# Altium PCB MB1166.PcbDoc (part 12 of 39)
Units mil, origin at the board's own origin, x right, y up, seen from the top; angles counter-clockwise.
Board outline 5000.99 x 2352.96 mil, 4 copper layers (TOP, L2_GND, L3_VCC, BOTTOM), stack 25.9 mil thick; 35 components, 24 nets, 166 pads, 143 vias.
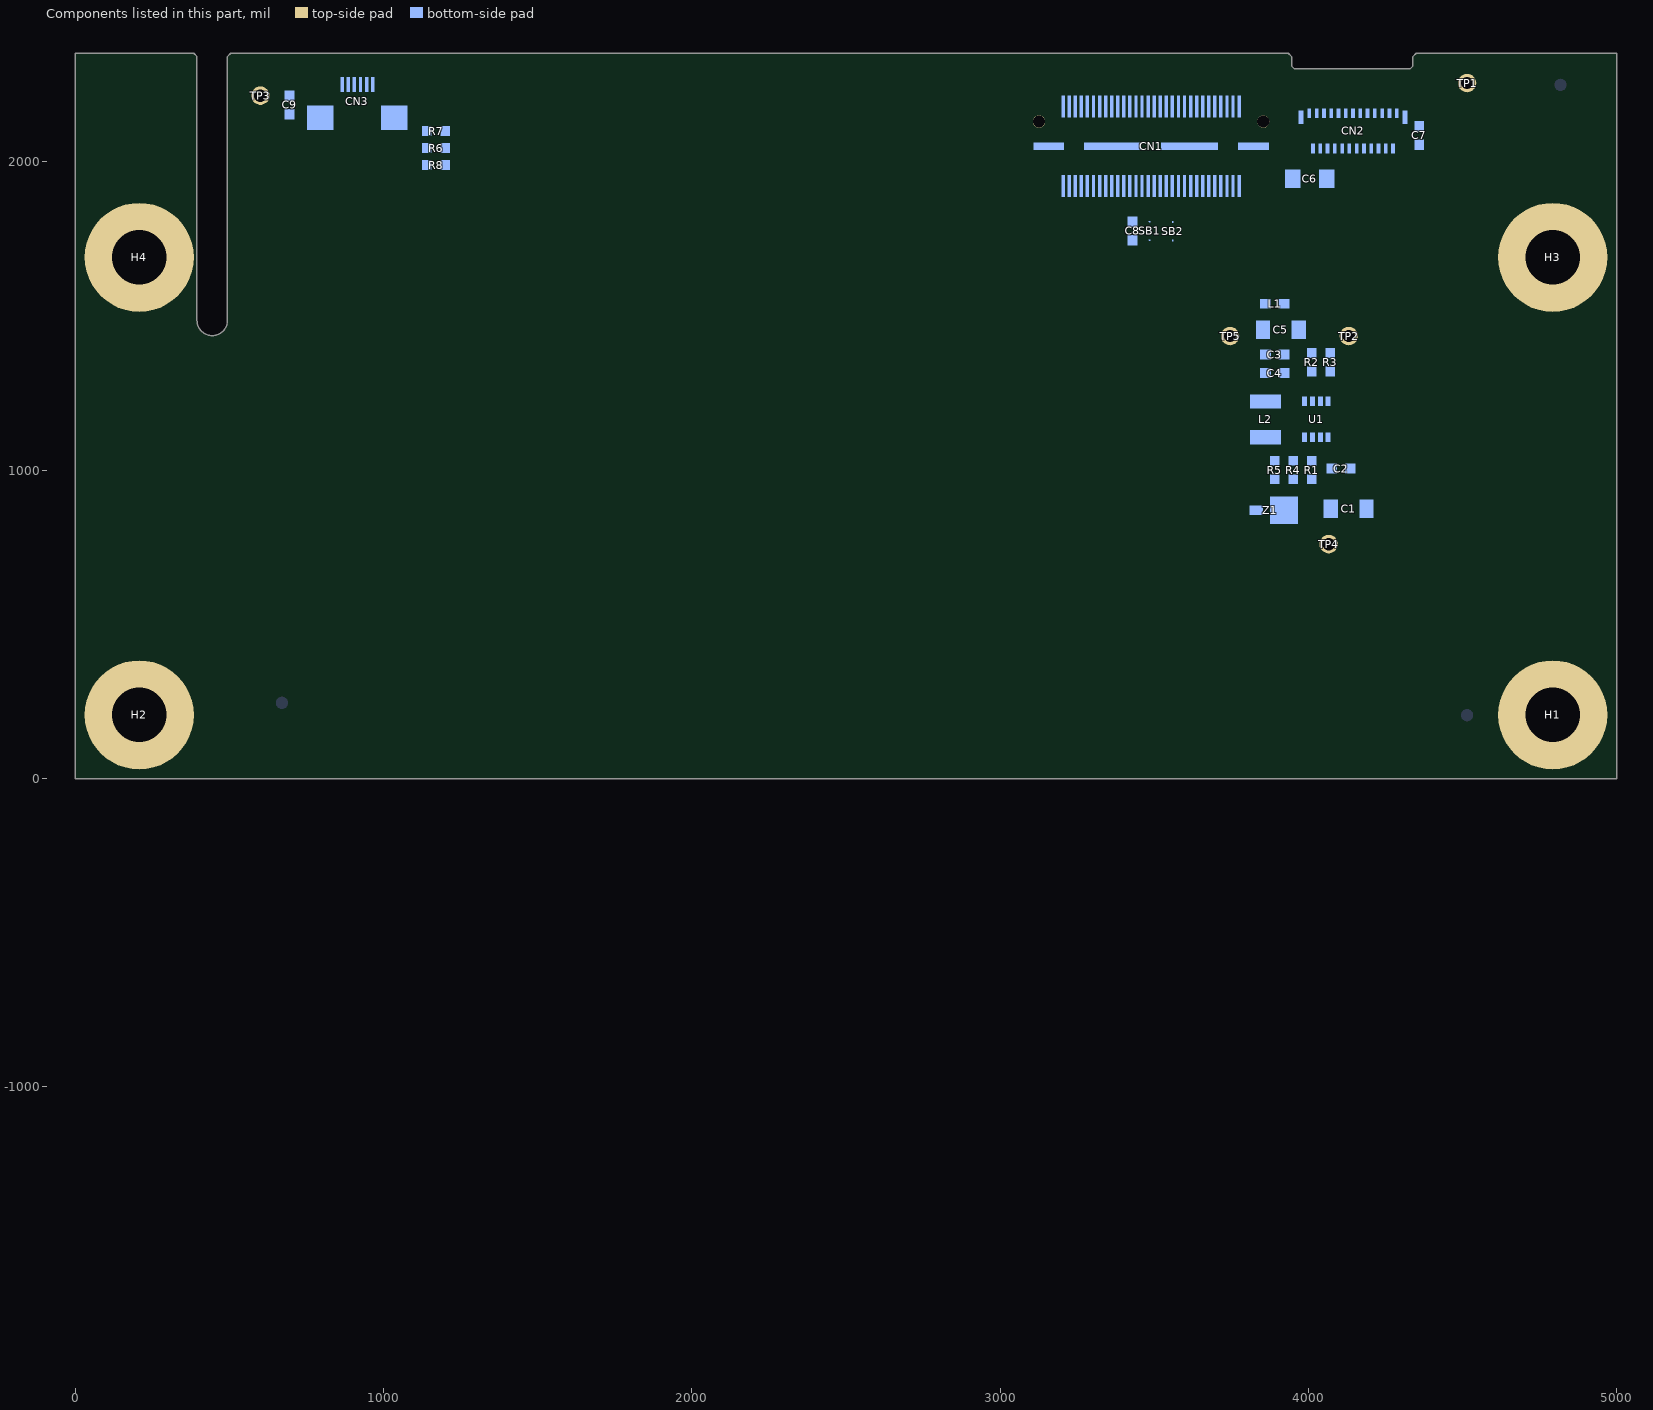
[diagram p14: the components of this part, seen from the top]

## Via types
v1: diameter 24, hole 12, TOP to BOTTOM, 143 vias

## Nets (pads, with @x,y where several pads share a name; then routed paths per layer and width w, separated by ;. In a path a pad name is that pad's centre, name@x,y a point inside that pad or via, vN(x,y) a via of type N, cw(c..) or ccw(c..) an arc to the next point about the centre after c; other vN are vias at no path point) (continued)
copper on no net: (continued)
  TOP w2: 1136.11,-1195.7 1136.21,-1195.73 1136.11,-1195.7 ; 1136.12,-1133.79 1136.2,-1133.73 ; 1136.12,-1133.79 1136.2,-1133.73 ; 1136.2,-1133.73 1136.27,-1133.66 ; 1136.2,-1133.73 1136.27,-1133.66 ; 1136.27,-1133.66 1136.35,-1133.6 ; 1136.27,-1133.66 1136.35,-1133.6 ; 1136.35,-1133.6 1136.42,-1133.53 ; 1136.35,-1133.6 1136.42,-1133.53 ; 1136.42,-1133.53 1136.5,-1133.47 ; 1136.42,-1133.53 1136.5,-1133.47 ; 1136.5,-1133.47 1136.58,-1133.4 ; 1136.5,-1133.47 1136.58,-1133.4 ; 1136.58,-1133.4 1136.65,-1133.34 ; 1136.58,-1133.4 1136.65,-1133.34 ; 1136.65,-1133.34 1136.73,-1133.27 ; 1136.65,-1133.34 1136.73,-1133.27 ; 1136.73,-1133.27 1136.8,-1133.21 ; 1136.73,-1133.27 1136.8,-1133.21 ; 1136.8,-1133.21 1136.88,-1133.14 ; 1136.8,-1133.21 1136.88,-1133.14 ; 1136.88,-1133.14 1137.12,-1132.96 ; 1136.88,-1133.14 1137.12,-1132.96 ; 1137.12,-1132.96 1137.19,-1132.89 ; 1137.12,-1132.96 1137.19,-1132.89 ; 1137.19,-1132.89 1138.23,-1132.11 ; 1137.19,-1132.89 1138.23,-1132.11 ; 1138.23,-1132.11 1138.32,-1132.06 ; 1138.23,-1132.11 1138.32,-1132.06 ; 1138.32,-1132.06 1138.48,-1131.94 ; 1138.32,-1132.06 1138.48,-1131.94 ; 1138.48,-1131.94 1138.56,-1131.89 ; 1138.48,-1131.94 1138.56,-1131.89 ; 1138.56,-1131.89 1138.64,-1131.83 ; 1138.56,-1131.89 1138.64,-1131.83 ; 1138.64,-1131.83 1138.73,-1131.77 ; 1138.64,-1131.83 1138.73,-1131.77 ; 1138.73,-1131.77 1138.81,-1131.72 ; 1138.73,-1131.77 1138.81,-1131.72 ; 1138.81,-1131.72 1138.89,-1131.66 ; 1138.81,-1131.72 1138.89,-1131.66 ; 1138.89,-1131.66 1138.98,-1131.61 ; 1138.89,-1131.66 1138.98,-1131.61 ; 1138.98,-1131.61 1139.06,-1131.55 ; 1138.98,-1131.61 1139.06,-1131.55 ; 1139.06,-1131.55 1139.14,-1131.5 ; 1139.06,-1131.55 1139.14,-1131.5 ; 1139.14,-1131.5 1139.23,-1131.44 ; 1139.14,-1131.5 1139.23,-1131.44 ; 1139.23,-1131.44 1139.31,-1131.39 ; 1139.23,-1131.44 1139.31,-1131.39 ; 1139.31,-1131.39 1139.4,-1131.34 ; 1139.31,-1131.39 1139.4,-1131.34 ; 1139.4,-1131.34 1139.48,-1131.28 ; 1139.4,-1131.34 1139.48,-1131.28 ; 1139.48,-1131.28 1139.57,-1131.23 ; 1139.48,-1131.28 1139.57,-1131.23 ; 1139.57,-1131.23 1139.65,-1131.18 ; 1139.57,-1131.23 1139.65,-1131.18 ; 1139.65,-1131.18 1139.74,-1131.13 ; 1139.65,-1131.18 1139.74,-1131.13 ; 1139.74,-1131.13 1139.82,-1131.07 ; 1139.74,-1131.13 1139.82,-1131.07 ; 1139.82,-1131.07 1139.91,-1131.02 ; 1139.82,-1131.07 1139.91,-1131.02 ; 1139.91,-1131.02 1139.99,-1130.97 ; 1139.91,-1131.02 1139.99,-1130.97 ; 1139.99,-1130.97 1140.17,-1130.87 ; 1139.99,-1130.97 1140.17,-1130.87 ; 1140.17,-1130.87 1140.25,-1130.82 ; 1140.17,-1130.87 1140.25,-1130.82 ; 1140.25,-1130.82 1140.43,-1130.72 ; 1140.25,-1130.82 1140.43,-1130.72 ; 1140.43,-1130.72 1140.51,-1130.67 ; 1140.43,-1130.72 1140.51,-1130.67 ; 1140.51,-1130.67 1140.78,-1130.52 ; 1140.51,-1130.67 1140.78,-1130.52 ; 1140.78,-1130.52 1140.86,-1130.48 ; 1140.78,-1130.52 1140.86,-1130.48 ; 1140.86,-1130.48 1141.13,-1130.33 ; 1140.86,-1130.48 1141.13,-1130.33 ; 1141.13,-1130.33 1141.22,-1130.29 ; 1141.13,-1130.33 1141.22,-1130.29 ; 1141.22,-1130.29 1141.3,-1130.24 ; 1141.22,-1130.29 1141.3,-1130.24 ; 1141.3,-1130.24 1141.39,-1130.19 ; 1141.3,-1130.24 1141.39,-1130.19 ; 1141.39,-1130.19 1141.48,-1130.15 ; 1141.39,-1130.19 1141.48,-1130.15 ; 1141.48,-1130.15 1141.66,-1130.05 ; 1141.48,-1130.15 1141.66,-1130.05 ; 1141.66,-1130.05 1141.75,-1130.01 ; 1141.66,-1130.05 1141.75,-1130.01 ; 1141.75,-1130.01 1141.84,-1129.96 ; 1141.75,-1130.01 1141.84,-1129.96 ; 1141.84,-1129.96 1142.02,-1129.88 ; 1141.84,-1129.96 1142.02,-1129.88 ; 1142.02,-1129.88 1142.11,-1129.83 ; 1142.02,-1129.88 1142.11,-1129.83 ; 1142.11,-1129.83 1142.2,-1129.79 ; 1142.11,-1129.83 1142.2,-1129.79 ; 1142.2,-1129.79 1142.29,-1129.74 ; 1142.2,-1129.79 1142.29,-1129.74 ; 1142.29,-1129.74 1142.56,-1129.62 ; 1142.29,-1129.74 1142.56,-1129.62 ; 1142.56,-1129.62 1142.65,-1129.57 ; 1142.56,-1129.62 1142.65,-1129.57 ; 1142.65,-1129.57 1143.19,-1129.33 ; 1142.65,-1129.57 1143.19,-1129.33 ; 1143.19,-1129.33 1143.29,-1129.29 ; 1143.19,-1129.33 1143.29,-1129.29 ; 1143.29,-1129.29 1143.65,-1129.13 ; 1143.29,-1129.29 1143.65,-1129.13 ; 1143.65,-1129.13 1143.75,-1129.09 ; 1143.65,-1129.13 1143.75,-1129.09 ; 1143.75,-1129.09 1144.11,-1128.93 ; 1143.75,-1129.09 1144.11,-1128.93 ; 1144.11,-1128.93 1144.21,-1128.9 ; 1144.11,-1128.93 1144.21,-1128.9 ; 1144.21,-1128.9 1144.39,-1128.82 ; 1144.21,-1128.9 1144.39,-1128.82 ; 1144.42,-1128.81 1166.49,-1106.74 1144.42,-1128.81 ; 1144.39,-1128.82 1144.49,-1128.79 ; 1144.39,-1128.82 1144.49,-1128.79 ; 1144.49,-1128.79 1144.67,-1128.71 ; 1144.49,-1128.79 1144.67,-1128.71 ; 1144.67,-1128.71 1144.77,-1128.68 ; 1144.67,-1128.71 1144.77,-1128.68 ; 1144.77,-1128.68 1144.86,-1128.64 ; 1144.77,-1128.68 1144.86,-1128.64 ; 1144.86,-1128.64 1144.95,-1128.61 ; 1144.86,-1128.64 1144.95,-1128.61 ; 1144.95,-1128.61 1145.05,-1128.57 ; 1144.95,-1128.61 1145.05,-1128.57 ; 1145.05,-1128.57 1145.14,-1128.54 ; 1145.05,-1128.57 1145.14,-1128.54 ; 1145.14,-1128.54 1145.23,-1128.5 ; 1145.14,-1128.54 1145.23,-1128.5 ; 1145.23,-1128.5 1145.33,-1128.47 ; 1145.23,-1128.5 1145.33,-1128.47 ; 1145.33,-1128.47 1145.42,-1128.43 ; 1145.33,-1128.47 1145.42,-1128.43 ; 1145.42,-1128.43 1145.52,-1128.4 ; 1145.42,-1128.43 1145.52,-1128.4 ; 1145.52,-1128.4 1145.61,-1128.37 ; 1145.52,-1128.4 1145.61,-1128.37 ; 1145.61,-1128.37 1145.7,-1128.33 ; 1145.61,-1128.37 1145.7,-1128.33 ; 1145.7,-1128.33 1145.8,-1128.3 ; 1145.7,-1128.33 1145.8,-1128.3 ; 1145.8,-1128.3 1145.89,-1128.27 ; 1145.8,-1128.3 1145.89,-1128.27 ; 1145.89,-1128.27 1145.99,-1128.24 ; 1145.89,-1128.27 1145.99,-1128.24 ; 1145.99,-1128.24 1146.08,-1128.2 ; 1145.99,-1128.24 1146.08,-1128.2 ; 1146.08,-1128.2 1146.18,-1128.17 ; 1146.08,-1128.2 1146.18,-1128.17 ; 1146.18,-1128.17 1146.27,-1128.14 ; 1146.18,-1128.17 1146.27,-1128.14 ; 1146.27,-1128.14 1146.37,-1128.11 ; 1146.27,-1128.14 1146.37,-1128.11 ; 1146.37,-1128.11 1146.46,-1128.08 ; 1146.37,-1128.11 1146.46,-1128.08 ; 1146.46,-1128.08 1146.56,-1128.05 ; 1146.46,-1128.08 1146.56,-1128.05 ; 1146.56,-1128.05 1146.65,-1128.02 ; 1146.56,-1128.05 1146.65,-1128.02 ; 1146.65,-1128.02 1146.75,-1127.99 ; 1146.65,-1128.02 1146.75,-1127.99 ; 1146.75,-1127.99 1146.84,-1127.96 ; 1146.75,-1127.99 1146.84,-1127.96 ; 1146.84,-1127.96 1147.04,-1127.9 ; 1146.84,-1127.96 1147.04,-1127.9 ; 1147.04,-1127.9 1147.13,-1127.87 ; 1147.04,-1127.9 1147.13,-1127.87 ; 1147.13,-1127.87 1147.23,-1127.84 ; 1147.13,-1127.87 1147.23,-1127.84 ; 1147.23,-1127.84 1147.32,-1127.81 ; 1147.23,-1127.84 1147.32,-1127.81 ; 1147.32,-1127.81 1147.42,-1127.78 ; 1147.32,-1127.81 1147.42,-1127.78 ; 1147.42,-1127.78 1147.51,-1127.75 ; 1147.42,-1127.78 1147.51,-1127.75 ; 1147.51,-1127.75 1147.61,-1127.73 ; 1147.51,-1127.75 1147.61,-1127.73 ; 1147.61,-1127.73 1147.71,-1127.7 ; 1147.61,-1127.73 1147.71,-1127.7 ; 1147.71,-1127.7 1147.8,-1127.67 ; 1147.71,-1127.7 1147.8,-1127.67 ; 1147.81,-1127.67 1168.74,-1106.74 1147.81,-1127.67 ; 1147.8,-1127.67 1147.9,-1127.64 ; 1147.8,-1127.67 1147.9,-1127.64 ; 1147.9,-1127.64 1147.99,-1127.62 ; 1147.9,-1127.64 1147.99,-1127.62 ; 1147.99,-1127.62 1148.19,-1127.56 ; 1147.99,-1127.62 1148.19,-1127.56 ; 1148.19,-1127.56 1148.28,-1127.54 ; 1148.19,-1127.56 1148.28,-1127.54 ; 1148.28,-1127.54 1148.38,-1127.51 ; 1148.28,-1127.54 1148.38,-1127.51 ; 1148.38,-1127.51 1148.48,-1127.49 ; 1148.38,-1127.51 1148.48,-1127.49 ; 1148.48,-1127.49 1148.57,-1127.46 ; 1148.48,-1127.49 1148.57,-1127.46 ; 1148.57,-1127.46 1148.67,-1127.43 ; 1148.57,-1127.46 1148.67,-1127.43 ; 1148.67,-1127.43 1148.77,-1127.41 ; 1148.67,-1127.43 1148.77,-1127.41 ; 1148.77,-1127.41 1148.86,-1127.38 ; 1148.77,-1127.41 1148.86,-1127.38 ; 1148.86,-1127.38 1149.06,-1127.34 ; 1148.86,-1127.38 1149.06,-1127.34 ; 1149.06,-1127.34 1149.16,-1127.31 ; 1149.06,-1127.34 1149.16,-1127.31 ; 1149.16,-1127.31 1149.25,-1127.29 ; 1149.16,-1127.31 1149.25,-1127.29 ; 1149.25,-1127.29 1149.35,-1127.26 ; 1149.25,-1127.29 1149.35,-1127.26 ; 1149.35,-1127.26 1149.45,-1127.24 ; 1149.35,-1127.26 1149.45,-1127.24 ; 1149.45,-1127.24 1149.54,-1127.22 ; 1149.45,-1127.24 1149.54,-1127.22 ; 1149.54,-1127.22 1149.64,-1127.19 ; 1149.54,-1127.22 1149.64,-1127.19 ; 1149.64,-1127.19 1149.84,-1127.15 ; 1149.64,-1127.19 1149.84,-1127.15 ; 1149.84,-1127.15 1149.93,-1127.12 ; 1149.84,-1127.15 1149.93,-1127.12 ; 1149.93,-1127.12 1150.23,-1127.06 ; 1149.93,-1127.12 1150.23,-1127.06 ; 1150.23,-1127.06 1150.32,-1127.04 ; 1150.23,-1127.06 1150.32,-1127.04 ; 1150.32,-1127.04 1150.42,-1127.01 ; 1150.32,-1127.04 1150.42,-1127.01 ; 1150.42,-1127.01 1150.62,-1126.97 ; 1150.42,-1127.01 1150.62,-1126.97 ; 1150.62,-1126.97 1150.71,-1126.95 ; 1150.62,-1126.97 1150.71,-1126.95 ; 1150.71,-1126.95 1209.09,-1126.95 ; 1150.71,-1126.95 1209.09,-1126.95 ; 1189.08,-1216.34 1095.3,-1216.34 1189.08,-1216.34 ; 1189.08,-1216.34 1194,-1195.74 ; 1189.08,-1216.34 1194,-1195.74 ; 1194,-1195.74 1136.24,-1195.74 1194,-1195.74 ; 1203.11,-1216.34 1257,-1216.34 ; 1203.11,-1216.34 1210.12,-1184.24 ; 1203.11,-1216.34 1257,-1216.34 ; 1203.11,-1216.34 1210.12,-1184.24 ; 1209.09,-1126.95 1213.66,-1106.74 ; 1209.09,-1126.95 1213.66,-1106.74 ; 1210.12,-1184.24 1264.05,-1184.24 ; 1210.12,-1184.24 1264.05,-1184.24 ; 1213.64,-1106.74 1193.43,-1126.95 1213.64,-1106.74 ; 1219.56,-1143.45 1272.86,-1143.45 ; 1219.56,-1143.45 1227.69,-1106.74 ; 1219.56,-1143.45 1272.86,-1143.45 ; 1219.56,-1143.45 1227.69,-1106.74 ; 1227.69,-1106.74 1328.39,-1106.74 ; 1227.69,-1106.74 1328.39,-1106.74 ; 1257,-1216.34 1264.05,-1184.24 ; 1257,-1216.34 1264.05,-1184.24 ; 1270.69,-1175.97 1279.88,-1216.34 ; 1270.69,-1175.97 1279.88,-1216.34 ; 1272.86,-1143.45 1276.61,-1126.69 ; 1272.86,-1143.45 1276.61,-1126.69 ; 1276.61,-1126.69 1306.53,-1126.69 ; 1276.61,-1126.69 1306.53,-1126.69 ; 1279.88,-1216.34 1332.97,-1216.34 ; 1279.88,-1216.34 1332.97,-1216.34 ; 1306.53,-1126.69 1306.63,-1126.72 ; 1306.53,-1126.69 1306.63,-1126.72 ; 1306.63,-1126.72 1306.72,-1126.75 ; 1306.63,-1126.72 1306.72,-1126.75 ; 1306.72,-1126.75 1306.81,-1126.79 ; 1306.72,-1126.75 1306.81,-1126.79 ; 1306.81,-1126.79 1306.91,-1126.82 ; 1306.81,-1126.79 1306.91,-1126.82 ; 1306.91,-1126.82 1307,-1126.85 ; 1306.91,-1126.82 1307,-1126.85 ; 1307,-1126.85 1307.1,-1126.89 ; 1307,-1126.85 1307.1,-1126.89 ; 1307.1,-1126.89 1307.19,-1126.92 ; 1307.1,-1126.89 1307.19,-1126.92 ; 1307.19,-1126.92 1307.29,-1126.95 ; 1307.19,-1126.92 1307.29,-1126.95 ; 1307.29,-1126.95 1307.38,-1126.99 ; 1307.29,-1126.95 1307.38,-1126.99 ; 1307.38,-1126.99 1307.47,-1127.02 ; 1307.38,-1126.99 1307.47,-1127.02 ; 1307.47,-1127.02 1307.57,-1127.06 ; 1307.47,-1127.02 1307.57,-1127.06 ; 1307.57,-1127.06 1307.66,-1127.09 ; 1307.57,-1127.06 1307.66,-1127.09 ; 1307.66,-1127.09 1307.75,-1127.13 ; 1307.66,-1127.09 1307.75,-1127.13 ; 1307.75,-1127.13 1328.14,-1106.74 1307.75,-1127.13 ; 1307.75,-1127.13 1307.85,-1127.16 ; 1307.75,-1127.13 1307.85,-1127.16 ; 1307.85,-1127.16 1308.03,-1127.24 ; 1307.85,-1127.16 1308.03,-1127.24 ; 1308.03,-1127.24 1308.13,-1127.27 ; 1308.03,-1127.24 1308.13,-1127.27 ; 1308.13,-1127.27 1308.31,-1127.35 ; 1308.13,-1127.27 1308.31,-1127.35 ; 1308.31,-1127.35 1308.41,-1127.38 ; 1308.31,-1127.35 1308.41,-1127.38 ; 1308.41,-1127.38 1308.68,-1127.5 ; 1308.41,-1127.38 1308.68,-1127.5 ; 1308.68,-1127.5 1308.78,-1127.54 ; 1308.68,-1127.5 1308.78,-1127.54 ; 1308.78,-1127.54 1308.87,-1127.57 ; 1308.78,-1127.54 1308.87,-1127.57 ; 1308.87,-1127.57 1309.14,-1127.69 ; 1308.87,-1127.57 1309.14,-1127.69 ; 1309.14,-1127.69 1309.24,-1127.73 ; 1309.14,-1127.69 1309.24,-1127.73 ; 1309.24,-1127.73 1309.6,-1127.89 ; 1309.24,-1127.73 1309.6,-1127.89 ; 1309.6,-1127.89 1309.69,-1127.94 ; 1309.6,-1127.89 1309.69,-1127.94 ; 1309.69,-1127.94 1309.96,-1128.06 ; 1309.69,-1127.94 1309.96,-1128.06 ; 1309.96,-1128.06 1310.06,-1128.1 ; 1309.96,-1128.06 1310.06,-1128.1 ; 1310.06,-1128.1 1310.15,-1128.15 ; 1310.06,-1128.1 1310.15,-1128.15 ; 1310.15,-1128.15 1310.42,-1128.27 ; 1310.15,-1128.15 1310.42,-1128.27 ; 1310.42,-1128.27 1310.51,-1128.32 ; 1310.42,-1128.27 1310.51,-1128.32 ; 1310.51,-1128.32 1310.69,-1128.4 ; 1310.51,-1128.32 1310.69,-1128.4 ; 1310.69,-1128.4 1310.78,-1128.45 ; 1310.69,-1128.4 1310.78,-1128.45 ; 1310.76,-1152.03 1310.83,-1152 ; 1310.76,-1152.03 1310.83,-1152 ; 1310.78,-1128.45 1310.87,-1128.49 ; 1310.78,-1128.45 1310.87,-1128.49 ; 1310.83,-1152 1310.92,-1151.96 ; 1310.83,-1152 1310.92,-1151.96 ; 1310.87,-1128.5 1331.59,-1107.78 ; 1310.87,-1128.49 1310.96,-1128.54 ; 1310.87,-1128.5 1331.59,-1107.78 ; 1310.87,-1128.49 1310.96,-1128.54 ; 1310.92,-1151.96 1311.02,-1151.92 ; 1310.92,-1151.96 1311.02,-1151.92 ; 1310.96,-1128.54 1311.05,-1128.58 ; 1310.96,-1128.54 1311.05,-1128.58 ; 1311.02,-1151.92 1311.29,-1151.8 ; 1311.02,-1151.92 1311.29,-1151.8 ; 1311.05,-1128.58 1311.13,-1128.63 ; 1311.05,-1128.58 1311.13,-1128.63 ; 1311.13,-1128.63 1311.22,-1128.67 ; 1311.13,-1128.63 1311.22,-1128.67 ; 1311.22,-1128.67 1311.31,-1128.72 ; 1311.22,-1128.67 1311.31,-1128.72 ; 1311.29,-1151.8 1311.38,-1151.77 ; 1311.29,-1151.8 1311.38,-1151.77 ; 1311.31,-1128.72 1311.4,-1128.76 ; 1311.31,-1128.72 1311.4,-1128.76 ; 1311.38,-1151.77 1311.48,-1151.72 ; 1311.38,-1151.77 1311.48,-1151.72 ; 1311.4,-1128.76 1311.49,-1128.81 ; 1311.4,-1128.76 1311.49,-1128.81 ; 1311.48,-1151.72 1311.93,-1151.52 ; 1311.48,-1151.72 1311.93,-1151.52 ; 1311.49,-1128.81 1311.58,-1128.85 ; 1311.49,-1128.81 1311.58,-1128.85 ; 1311.58,-1128.85 1311.76,-1128.95 ; 1311.58,-1128.85 1311.76,-1128.95 ; 1311.76,-1128.95 1311.85,-1128.99 ; 1311.76,-1128.95 1311.85,-1128.99 ; 1311.85,-1128.99 1311.93,-1129.04 ; 1311.85,-1128.99 1311.93,-1129.04 ; 1311.93,-1151.52 1312.02,-1151.47 ; 1311.93,-1151.52 1312.02,-1151.47 ; 1311.93,-1129.04 1312.02,-1129.09 ; 1311.93,-1129.04 1312.02,-1129.09 ; 1312.02,-1151.47 1312.2,-1151.39 ; 1312.02,-1151.47 1312.2,-1151.39 ; 1312.02,-1129.09 1312.11,-1129.13 ; 1312.02,-1129.09 1312.11,-1129.13 ; 1312.11,-1129.13 1312.29,-1129.23 ; 1312.11,-1129.13 1312.29,-1129.23 ; 1312.2,-1151.39 1312.29,-1151.34 ; 1312.2,-1151.39 1312.29,-1151.34 ; 1312.29,-1151.34 1312.38,-1151.3 ; 1312.29,-1151.34 1312.38,-1151.3 ; 1312.29,-1129.23 1312.38,-1129.27 ; 1312.29,-1129.23 1312.38,-1129.27 ; 1312.38,-1151.3 1312.47,-1151.25 ; 1312.38,-1151.3 1312.47,-1151.25 ; 1312.38,-1129.27 1312.46,-1129.32 ; 1312.38,-1129.27 1312.46,-1129.32 ; 1312.47,-1151.25 1312.56,-1151.21 ; 1312.47,-1151.25 1312.56,-1151.21 ; 1312.46,-1129.32 1312.55,-1129.37 ; 1312.46,-1129.32 1312.55,-1129.37 ; 1312.56,-1151.21 1312.65,-1151.16 ; 1312.56,-1151.21 1312.65,-1151.16 ; 1312.55,-1129.37 1312.64,-1129.41 ; 1312.55,-1129.37 1312.64,-1129.41 ; 1312.65,-1151.16 1312.74,-1151.12 ; 1312.65,-1151.16 1312.74,-1151.12 ; 1312.64,-1129.41 1312.82,-1129.51 ; 1312.64,-1129.41 1312.82,-1129.51 ; 1312.74,-1151.12 1312.82,-1151.07 ; 1312.74,-1151.12 1312.82,-1151.07 ; 1312.82,-1151.07 1313.09,-1150.92 ; 1312.82,-1151.07 1313.09,-1150.92 ; 1312.82,-1129.51 1312.9,-1129.56 ; 1312.82,-1129.51 1312.9,-1129.56 ; 1312.9,-1129.56 1313.08,-1129.66 ; 1312.9,-1129.56 1313.08,-1129.66 ; 1313.09,-1150.92 1313.18,-1150.88 ; 1313.09,-1150.92 1313.18,-1150.88 ; 1313.08,-1129.66 1313.17,-1129.7 ; 1313.08,-1129.66 1313.17,-1129.7 ; 1313.17,-1129.7 1313.25,-1129.75 ; 1313.17,-1129.7 1313.25,-1129.75 ; 1313.18,-1150.88 1313.26,-1150.83 ; 1313.18,-1150.88 1313.26,-1150.83 ; 1313.26,-1150.83 1313.35,-1150.78 ; 1313.26,-1150.83 1313.35,-1150.78 ; 1313.25,-1129.75 1313.43,-1129.85 ; 1313.25,-1129.75 1313.43,-1129.85 ; 1313.35,-1150.78 1313.43,-1150.72 ; 1313.35,-1150.78 1313.43,-1150.72 ; 1313.43,-1150.72 1313.52,-1150.67 ; 1313.43,-1150.72 1313.52,-1150.67 ; 1313.43,-1129.85 1313.51,-1129.9 ; 1313.43,-1129.85 1313.51,-1129.9 ; 1313.52,-1150.67 1313.6,-1150.62 ; 1313.52,-1150.67 1313.6,-1150.62 ; 1313.51,-1129.9 1313.6,-1129.96 ; 1313.51,-1129.9 1313.6,-1129.96 ; 1313.6,-1150.62 1313.69,-1150.57 ; 1313.6,-1150.62 1313.69,-1150.57 ; 1313.6,-1129.96 1313.68,-1130.01 ; 1313.6,-1129.96 1313.68,-1130.01 ; 1313.69,-1150.57 1313.77,-1150.51 ; 1313.69,-1150.57 1313.77,-1150.51 ; 1313.68,-1130.01 1313.77,-1130.06 ; 1313.68,-1130.01 1313.77,-1130.06 ; 1313.77,-1150.51 1313.86,-1150.46 ; 1313.77,-1150.51 1313.86,-1150.46 ; 1313.77,-1130.06 1313.85,-1130.11 ; 1313.77,-1130.06 1313.85,-1130.11 ; 1313.86,-1150.46 1314.26,-1150.16 ; 1313.86,-1150.46 1314.26,-1150.16 ; 1313.85,-1130.11 1313.94,-1130.17 ; 1313.85,-1130.11 1313.94,-1130.17 ; 1313.94,-1130.17 1314.02,-1130.22 ; 1313.94,-1130.17 1314.02,-1130.22 ; 1314.02,-1130.22 1314.11,-1130.28 ; 1314.02,-1130.22 1314.11,-1130.28 ; 1314.11,-1130.28 1314.19,-1130.33 ; 1314.11,-1130.28 1314.19,-1130.33 ; 1314.19,-1130.33 1314.75,-1130.75 ; 1314.19,-1130.33 1314.75,-1130.75 ; 1314.26,-1150.16 1314.33,-1150.09 ; 1314.26,-1150.16 1314.33,-1150.09 ; 1314.33,-1150.09 1314.41,-1150.03 ; 1314.33,-1150.09 1314.41,-1150.03 ; 1314.41,-1150.03 1314.69,-1149.75 ; 1314.41,-1150.03 1314.69,-1149.75 ; 1314.69,-1149.75 1314.76,-1149.67 ; 1314.69,-1149.75 1314.76,-1149.67 ; 1314.76,-1149.67 1314.83,-1149.6 ; 1314.76,-1149.67 1314.83,-1149.6 ; 1314.75,-1130.75 1314.83,-1130.82 ; 1314.75,-1130.75 1314.83,-1130.82 ; 1314.83,-1149.6 1314.95,-1149.44 ; 1314.83,-1149.6 1314.95,-1149.44 ; 1314.83,-1130.82 1314.9,-1130.88 ; 1314.83,-1130.82 1314.9,-1130.88 ; 1314.9,-1130.88 1314.98,-1130.95 ; 1314.9,-1130.88 1314.98,-1130.95 ; 1314.95,-1149.44 1315.02,-1149.36 ; 1314.95,-1149.44 1315.02,-1149.36 ; 1315.02,-1149.36 1315.08,-1149.28 ; 1315.02,-1149.36 1315.08,-1149.28 ; 1314.98,-1130.95 1315.05,-1131.01 ; 1314.98,-1130.95 1315.05,-1131.01 ; 1315.05,-1131.01 1315.12,-1131.08 ; 1315.05,-1131.01 1315.12,-1131.08 ; 1315.08,-1149.28 1315.13,-1149.2 ; 1315.08,-1149.28 1315.13,-1149.2 ; 1315.12,-1131.08 1315.2,-1131.15 ; 1315.12,-1131.08 1315.2,-1131.15 ; 1315.13,-1149.2 1315.25,-1149.04 ; 1315.13,-1149.2 1315.25,-1149.04 ; 1315.2,-1131.15 1315.41,-1131.36 ; 1315.2,-1131.15 1315.41,-1131.36 ; 1315.25,-1149.04 1315.3,-1148.96 ; 1315.25,-1149.04 1315.3,-1148.96 ; 1315.3,-1148.96 1315.36,-1148.87 ; 1315.3,-1148.96 1315.36,-1148.87 ; 1315.36,-1148.87 1315.41,-1148.79 ; 1315.36,-1148.87 1315.41,-1148.79 ; 1315.41,-1148.79 1315.51,-1148.61 ; 1315.41,-1148.79 1315.51,-1148.61 ; 1315.41,-1131.36 1315.48,-1131.44 ; 1315.41,-1131.36 1315.48,-1131.44 ; 1315.51,-1148.61 1315.56,-1148.53 ; 1315.51,-1148.61 1315.56,-1148.53 ; 1315.48,-1131.44 1315.55,-1131.51 ; 1315.48,-1131.44 1315.55,-1131.51 ; 1315.56,-1148.53 1315.61,-1148.44 ; 1315.56,-1148.53 1315.61,-1148.44 ; 1315.55,-1131.51 1315.61,-1131.58 ; 1315.55,-1131.51 1315.61,-1131.58 ; 1315.61,-1148.44 1315.65,-1148.35 ; 1315.61,-1148.44 1315.65,-1148.35 ; 1315.61,-1131.58 1315.68,-1131.66 ; 1315.61,-1131.58 1315.68,-1131.66 ; 1315.65,-1148.35 1315.75,-1148.17 ; 1315.65,-1148.35 1315.75,-1148.17 ; 1315.68,-1131.66 1315.74,-1131.74 ; 1315.68,-1131.66 1315.74,-1131.74 ; 1315.75,-1148.17 1315.87,-1147.9 ; 1315.75,-1148.17 1315.87,-1147.9 ; 1315.74,-1131.74 1315.81,-1131.81 ; 1315.74,-1131.74 1315.81,-1131.81 ; 1315.81,-1131.81 1316.29,-1132.45 ; 1315.81,-1131.81 1316.29,-1132.45 ; 1315.87,-1147.9 1315.92,-1147.81 ; 1315.87,-1147.9 1315.92,-1147.81 ; 1315.92,-1147.81 1316,-1147.63 ; 1315.92,-1147.81 1316,-1147.63 ; 1316,-1147.63 1316.04,-1147.53 ; 1316,-1147.63 1316.04,-1147.53 ; 1316.04,-1147.53 1316.07,-1147.44 ; 1316.04,-1147.53 1316.07,-1147.44 ; 1316.07,-1147.44 1316.15,-1147.26 ; 1316.07,-1147.44 1316.15,-1147.26 ; 1316.15,-1147.26 1316.18,-1147.16 ; 1316.15,-1147.26 1316.18,-1147.16 ; 1316.18,-1147.16 1316.22,-1147.07 ; 1316.18,-1147.16 1316.22,-1147.07 ; 1316.22,-1147.07 1316.25,-1146.98 ; 1316.22,-1147.07 1316.25,-1146.98 ; 1316.25,-1146.98 1316.29,-1146.88 ; 1316.25,-1146.98 1316.29,-1146.88 ; 1316.29,-1146.88 1316.32,-1146.79 ; 1316.29,-1146.88 1316.32,-1146.79 ; 1316.32,-1146.79 1316.35,-1146.69 ; 1316.32,-1146.79 1316.35,-1146.69 ; 1316.29,-1132.45 1316.34,-1132.54 ; 1316.29,-1132.45 1316.34,-1132.54 ; 1316.35,-1146.69 1316.38,-1146.6 ; 1316.35,-1146.69 1316.38,-1146.6 ; 1316.34,-1132.54 1316.39,-1132.62 ; 1316.34,-1132.54 1316.39,-1132.62 ; 1316.38,-1146.6 1316.42,-1146.5 ; 1316.38,-1146.6 1316.42,-1146.5 ; 1316.42,-1146.5 1316.45,-1146.41 ; 1316.42,-1146.5